# Altium PCB SP100 ATC CCU (PCB).PcbDoc (part 2 of 3)
Units mm, origin at the board's own origin, x right, y up, seen from the top; angles counter-clockwise.
Board outline 175.51 x 59.9 mm, 2 copper layers (Top Layer, Bottom Layer); 222 components, 138 nets, 681 pads, 393 vias.
Unrouted connection lines stored in the file: 24.
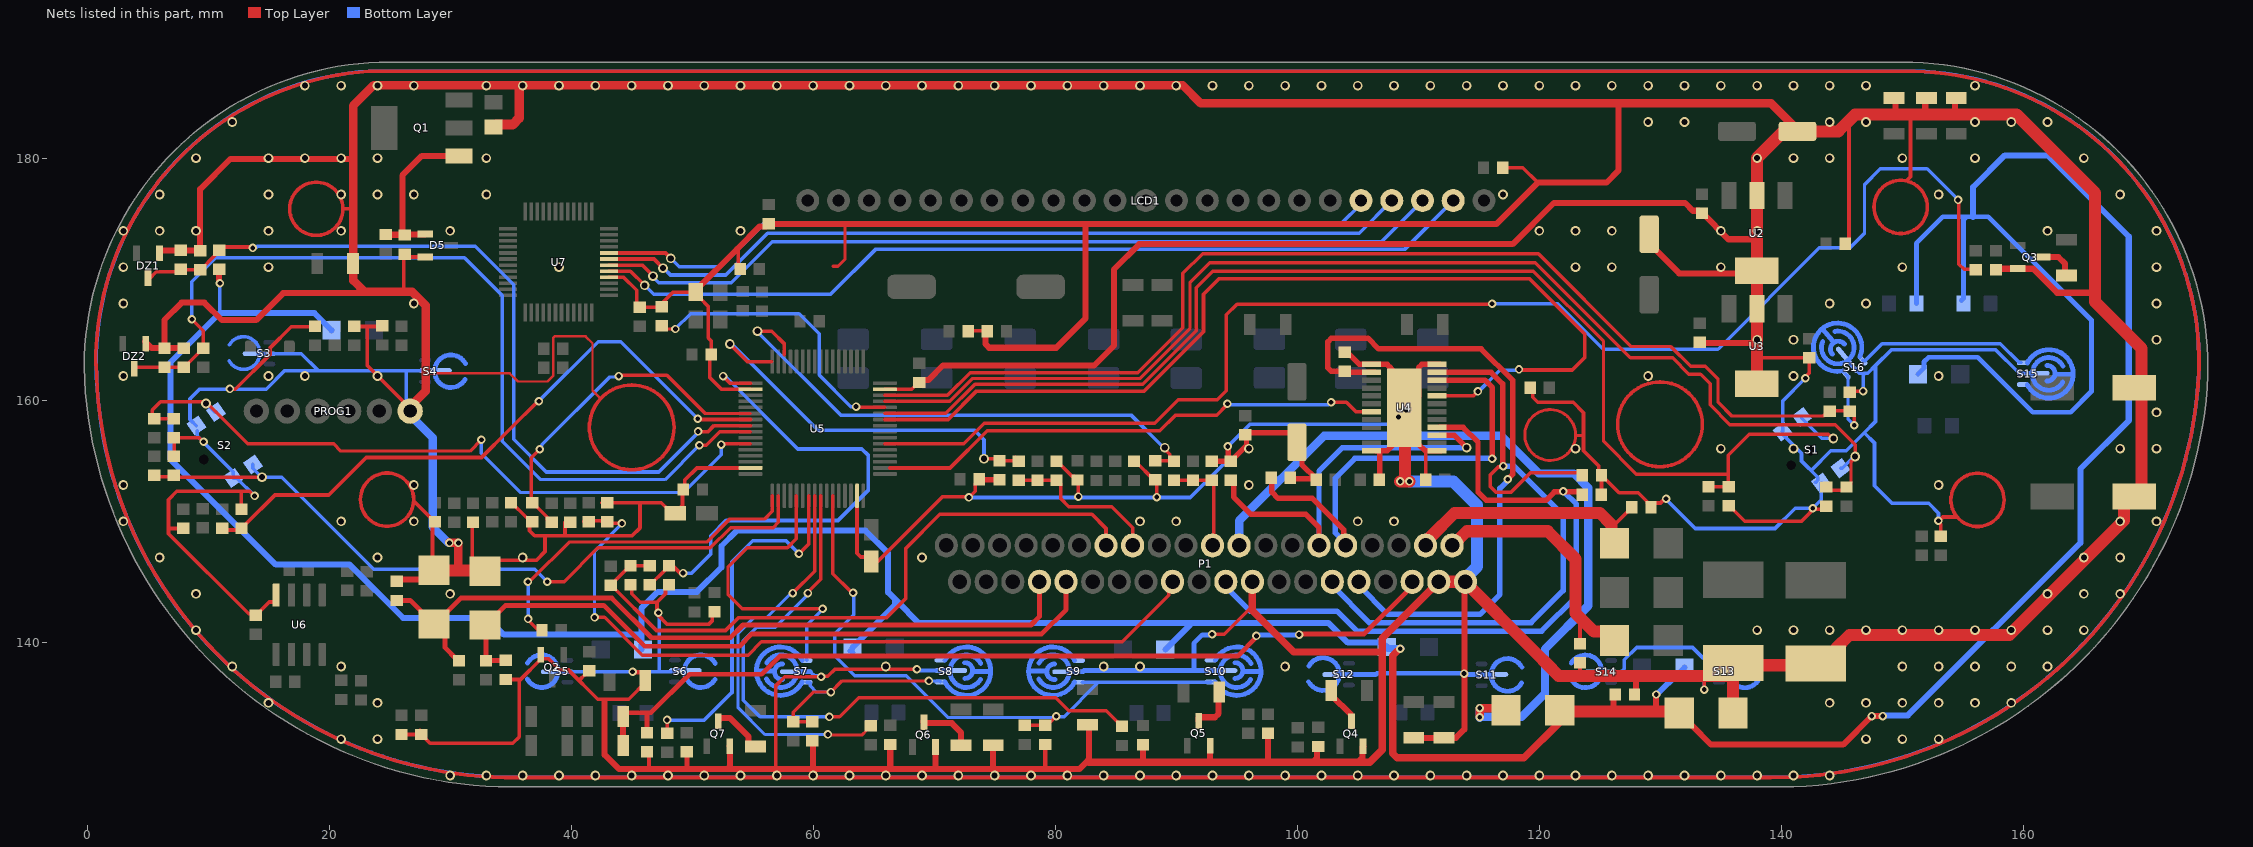
[diagram p2: the nets of this part, all layers, seen from the top]

## Via types
v1: diameter 0.8, hole 0.5, Top Layer to Bottom Layer, tented both sides, 255 vias
v2: diameter 0.7, hole 0.4, Top Layer to Bottom Layer, tented both sides, 138 vias

## Nets (pads, with @x,y where several pads share a name; then routed paths per layer and width w, separated by ;. In a path a pad name is that pad's centre, name@x,y a point inside that pad or via, vN(x,y) a via of type N, cw(c..) or ccw(c..) an arc to the next point about the centre after c; other vN are vias at no path point) (continued)
"AIR MIX FEEDBAKE": C57.1 P1.32 R51.1 | length 63.6
  Top Layer w0.28: R51.1@41.021,149.962 41.097,150.038 42.469,150.038 C57.1@42.748,149.758 ; v2(41.935,142.062) 42.763,142.062 45.887,138.938 54.635,138.938 55.728,140.03 85.547,140.03 87.859,142.342 89.395,143.878 89.395,144.695 P1.32@89.7,145 ; C57.1@43.2,149.925 43.3,149.825 v2(44.2,149.825)
  Bottom Layer w0.28: v2(41.935,142.062) 41.935,147.535 v2@44.2,149.8
"AIR MIX FEEDBAKE(Ch.06)": C67.2 R64.2 | length 28.5
  Top Layer w0.28: v2(37.406,155.951) 36.703,155.249 36.703,151.618 C67.2@36.779,151.542 36.819,151.542 38.035,150.326 38.035,150.128 R64.2@38.379,149.784 ; v2@43.915,162.052 47.923,162.052 51.067,158.908 54.826,158.908
  Bottom Layer w0.28: v2(37.406,155.951) 37.406,156.065 37.581,156.24 37.581,156.306 43.196,161.921 43.862,161.921 v2(43.942,162.001)
"AIR MIX MA +": C39.2 P1.25 U4.14 | length 54.7
  Top Layer w0.45: C39.2@103.937,162.31 U4.14@106.393,162.31 ; C39.2@103.937,162.402 102.789,162.402 102.525,162.666 102.525,164.831 102.819,165.125 105.842,165.125 106.717,164.25 115.201,164.25 117.795,161.656 117.795,153.87 v2(117.4,153.475)
  Bottom Layer w0.45: P1.25@105.1,145 105.1,144.684 107.467,142.316 115.087,142.316 116.738,143.967 116.738,152.723 117.4,153.384 v2(117.4,153.475)
"AIR MIX MA -": C40.2 P1.26 U4.11 | length 58
  Top Layer w0.3: v2(117.018,154.559) 116.941,154.482 116.607,154.482 115.95,153.825 115.95,152.875 116.414,152.411 117.689,152.411 119.278,154 123.165,154 123.236,153.928 123.276,153.928 C40.2@123.596,153.608
  Top Layer w0.45: U4.11@111.793,162.31 116.023,162.31 116.975,161.358 116.975,154.602 v2(117.018,154.559)
  Bottom Layer w0.45: P1.26@102.9,145 102.9,144.674 105.943,141.63 119.329,141.63 121.971,144.272 121.971,150.504 117.916,154.559 v2(117.018,154.559)
"Airmix_Down_SW (Ext.01)": C23.2 R12.2 S2.1 | length 59.9
  Top Layer w0.28: C23.2@7.112,158.471 R12.2@5.563,158.471 5.4,158.634 5.4,159.197 6.071,159.868 9.689,159.868 v1@9.772,159.785 ; v1@9.906,159.792 13.285,156.413 20.371,156.413 20.98,155.804 31.648,155.804 v2(32.588,156.743) ; v2@52.299,156.235 v2(52.4,156.337) 52.471,156.408 54.826,156.408
  Bottom Layer w0.28: v1(9.83,159.727) 10.51,159.047 S2.1@10.665,159.047 ; v2(32.588,156.743) 32.588,155.637 35.85,152.375 49.276,152.375 52.4,155.499 v2(52.4,156.337)
"Airmix_Up_SW (Ext.13)": C22.2 R11.2 S2.3 | length 60.9
  Top Layer w0.28: R11.2@5.613,153.67 7.041,153.67 C22.2@7.163,153.792 7.31,153.645 14.275,153.645 v1@14.453,153.822 ; v2(38.024,145.009) 39.421,145.009 42.217,147.805 51.514,147.805 53.188,149.479 56.69,149.479 57.126,149.915 57.126,152.108
  Bottom Layer w0.28: S2.3@13.705,154.705 13.705,154.392 v1(14.453,153.645) 16.104,153.645 23.698,146.05 36.982,146.05 v2(38.024,145.009)
"AMB SENSOR": C62.2 P1.13 R49.2 R60.2 | length 13.1
  Top Layer w0.3: R60.2@76.99,153.381 R49.2@78.539,153.381 C62.2@80.114,153.381 ; C62.2@80.22,153.314 80.474,153.061 80.474,151.86 81.128,151.206 84.669,151.206 86.4,149.475 P1.13@86.4,148
"AMB SENSOR(Ch.02)": C63.2 R60.1 | length 32.8
  Top Layer w0.3: v1(53.111,164.643) 54.585,163.17 56.566,163.17 ; v1(74.117,155.169) 75.243,155.169 C63.2@75.294,155.219 ; C63.2@75.398,155 R60.1@76.86,155 ; R60.1@76.695,155.281 76.807,155.169 R60.1@76.86,155.169
  Bottom Layer w0.3: v1(53.111,164.643) 53.247,164.643 53.459,164.431 53.501,164.431 60.407,157.525 73.328,157.525 74.117,156.736 v1(74.117,155.169)
AUTO_LED: R54.1 | length 114.9
  Top Layer w0.28: 65.926,156.408 72.435,156.408 74.143,158.115 88.24,158.115 90.17,160.045 93.396,160.045 94.132,160.782 94.132,167.056 95.021,167.945 v2@115.916,167.945 ; v2(154.61,176.555) 154.675,176.49 154.675,171.25 155.1,170.825 156.017,170.825 R54.1@156.058,170.784
  Bottom Layer w0.28: v2(116.103,167.97) 121.539,167.97 125.298,164.211 134.761,164.211 ; 134.825,164.275 143.15,172.6 145.675,172.6 146.875,173.8 146.875,177.825 148.175,179.125 152.04,179.125 v2(154.61,176.555)
AUTO_SW(Ext.09): C15.2 R5.2 S15.2 S16.2 | length 114.2
  Top Layer w0.28: 65.926,160.408 71.101,160.408 72.976,162.283 86.826,162.283 90.551,166.007 90.551,170.485 92.179,172.113 119.937,172.113 127.61,164.44 130.886,164.44 132.512,162.814 133.706,162.814 134.772,161.747 134.772,159.842 135.915,158.699 143.459,158.699 143.51,158.75 143.623,158.75 143.953,159.08 R5.2@143.993,159.08 144.043,159.131 145.633,159.131 146.014,158.75 146.014,157.948 v2(146.025,157.937)
  Bottom Layer w0.28: S16.2@145.339,162.139 145.509,161.969 S16.2@145.509,161.801 ; S16.2@145.508,161.8 145.508,158.454 v2(146.025,157.937) ; S16.2@146.721,163.298 146.773,163.246 146.888,163.246 148.318,164.676 158.108,164.676 159.597,163.186 159.664,163.119 S15.2@159.817,163.119
B: D5.1 Q1.1 R26.2 R44.1 | length 14
  Top Layer w0.5: R26.2@24.578,173.676 26.225,173.676 R44.1@26.241,173.66 26.29,173.709 27.863,173.709 D5.1@27.864,173.711 ; R44.1@26.06,173.761 R44.1@26.112,173.709 ; R44.1@26.137,173.736 26.06,173.812 26.06,178.587 27.662,180.189 Q1.1@31.098,180.189 ; D5.1@27.92,173.709 D5.1@27.949,173.739
B_F: C49.1 P1.37 R20.1 TVS4.2 | length 62.7
  Top Layer w0.4: C49.1@25.603,143.459 26.713,143.459 27.607,142.566 27.607,142.51 28.029,142.088 TVS4.2@28.169,142.088 ; TVS4.2@28.389,141.893 TVS4.2@28.524,141.757 ; TVS4.2@28.677,141.503 28.74,141.503 30.889,143.653 43.367,143.653 46.64,140.38 53.157,140.38 54.204,141.427 78.003,141.427 78.7,142.124 P1.37@78.7,145 ; TVS4.2@29.185,141.503 29.591,141.097 29.591,139.548 R20.1@30.531,138.608
B_V: C50.2 P1.36 R22.1 TVS5.2 | length 58.2
  Top Layer w0.4: TVS5.2@32.893,141.427 32.956,141.427 TVS5.2@32.969,141.44 ; C50.2@34.595,138.506 34.585,138.496 32.969,138.496 TVS5.2@32.969,141.44 ; P1.36@80.9,145 80.9,142.698 78.892,140.691 54.94,140.691 53.924,139.675 46.076,139.675 42.697,143.053 34.582,143.053 TVS5.2@32.969,141.44
BAT: C12.2 D3.1 P1.2 | length 20.4
  Top Layer w0.3: 125.578,149.784 125.908,149.784 126.284,149.784 127.295,150.795 127.335,150.795 127.655,151.115 C12.2@127.655,151.155
  Top Layer w1: P1.2@110.6,148 110.6,148.294 111.05,148.744 113.005,150.698 124.993,150.698 125.908,149.784 125.984,149.708 D3.1@125.984,149.047
"BLOWER OUT": C48.2 P1.23 R19.2 R24.2 | length 73.3
  Top Layer w0.4: R24.2@44.298,133.512 R24.2@44.298,133.868 44.298,133.892 44.583,134.177 46.269,134.177 46.598,134.177 49.784,137.363 55.753,137.363 57.252,138.862 95.072,138.862 v2@96.622,140.411 ; 46.253,134.163 46.269,134.148 C48.2@46.269,132.531 ; v2(100.152,140.64) 100.203,140.691 105.531,140.691 P1.23@109.445,144.605
  Top Layer w0.5: R19.2@44.298,131.48 44.298,133.132 R24.2@44.298,133.512
  Bottom Layer w0.4: v2(96.625,140.525) 96.682,140.582 96.895,140.582 96.927,140.614 v2@99.873,140.614
Blower_Control(Ch.07): C53.2 R30.2 | length 52.9
  Top Layer w0.3: R30.2@11.165,149.423 11.181,149.423 11.328,149.276 C53.2@12.765,149.276 ; C53.2@12.765,149.423 12.805,149.423 13.125,149.743 13.125,149.777 15.523,152.175 19.968,152.175 23.068,155.275 32.602,155.275 34.798,157.471 v2@37.398,160.071 ; v2@50.521,158.598 50.71,158.408 54.826,158.408
  Bottom Layer w0.3: v2@37.262,160.096 37.49,160.096 42.24,164.846 44.094,164.846 v2(50.47,158.471)
  other v2: 37.338,159.918
Blower_Control(PWM): R28.2 | length 28.3
  Top Layer w0.28: v2(36.449,141.935) 36.449,141.834 R28.2@37.44,140.843 ; v2@36.551,145.022 36.726,145.197 36.764,145.197 39.853,148.285 51.206,148.285 53.111,150.19 55.982,150.19 56.626,150.834 56.626,152.108
  Bottom Layer w0.28: v2(36.424,145.009) 36.449,144.983 v2(36.449,141.935)
"Blower_Down_SW (Ext.08)": C25.2 R14.2 S1.3 | length 101.5
  Top Layer w0.28: 65.926,159.908 65.936,159.918 66.844,159.918 71.29,159.918 73.175,161.803 87.025,161.803 91.135,165.913 91.135,169.723 92.761,171.348 119.685,171.348 127.533,163.5 131.013,163.5 132.359,162.154 133.325,162.154 134.112,161.366 134.112,159.614 135.738,157.988 144.45,157.988 146.098,156.34 v1(146.098,155.349) ; C25.2@143.713,152.832 143.967,152.578 R14.2@145.364,152.578 ; R14.2@145.39,152.832 145.43,152.832 145.76,153.162 145.76,154.915 145.976,155.132 v1@145.976,155.344
  Bottom Layer w0.28: S1.3@144.888,154.384 145.037,154.384 145.976,155.323 146.071,155.323 v1(146.098,155.349)
"Blower_UP_SW (Ext.07)": C24.2 R13.2 S1.1 | length 105.6
  Top Layer w0.28: 65.926,158.908 65.936,158.918 70.969,158.918 73.374,161.323 87.224,161.323 91.643,165.742 91.643,169.291 93.015,170.663 119.507,170.663 125.311,164.859 125.311,156.604 128.016,153.899 135.611,153.899 ; R13.2@133.985,152.862 135.291,152.862 135.458,153.029 C24.2@135.458,153.137 ; C24.2@135.611,152.862 135.611,153.899 ; v1(144.297,156.845) 144.229,156.845 143.873,157.201 137.363,157.201 135.611,155.448 135.611,153.899
  Bottom Layer w0.28: S1.1@141.699,158.617 141.699,158.502 143.355,156.845 v1(144.297,156.845)
BOOT0: R16.1 | length 24.3
  Top Layer w0.28: R16.1@47.498,166.15 47.76,165.887 v2(48.616,165.887) ; v2(63.55,159.475) 63.617,159.408 65.926,159.408
  Bottom Layer w0.28: v2(48.616,165.887) 48.616,165.891 49.875,167.15 58.834,167.15 60.503,165.481 60.503,162.087 63.115,159.475 v2(63.55,159.475)
C_1: Q3.3 R66.2 | length 3.3
  Top Layer w0.5: Q3.3@161.595,171.831 162.902,171.831 163.45,171.283 163.45,170.41 R66.2@163.195,170.155
C_2: Q4.3 R67.2 | length 3.2
  Top Layer w0.5: R67.2@102.812,136.017 102.812,135.637 104.451,133.998 104.451,133.59 Q4.3@104.51,133.531
C_3: Q5.3 R68.2 | length 3.9
  Top Layer w0.5: Q5.3@91.857,133.502 91.857,133.778 91.886,133.807 93.207,133.807 93.5,134.1 93.5,135.835 R68.2@93.555,135.89
C_4: Q6.3 R69.2 | length 4.6
  Top Layer w0.5: Q6.3@69.139,133.502 69.139,133.373 69.188,133.325 71.45,133.325 72.232,132.543 R69.2@72.232,131.496
C_5: Q7.3 R70.2 | length 4.2
  Top Layer w0.5: Q7.3@52.156,133.477 52.156,133.727 52.186,133.756 53.119,133.756 54.645,132.23 54.645,131.588 R70.2@54.762,131.47
COM0: LCD1.2 U7.5 | length 73.8
  Top Layer w0.3: U7.5@43.128,170.67 44.9,170.67 v1(46.076,169.494)
  Bottom Layer w0.3: v1(46.076,169.494) 46.82,168.75 61.435,168.75 65.151,172.466 108.866,172.466 LCD1.2@112.9,176.5
COM1: LCD1.4 U7.7 | length 67.8
  Top Layer w0.3: U7.7@43.128,171.67 46.846,171.67 v1(47.6,170.917)
  Bottom Layer w0.3: v1(47.6,170.917) 47.65,170.917 48.217,170.35 52.773,170.35 56.236,173.812 105.132,173.812 LCD1.4@107.82,176.5
COM2: LCD1.3 U7.6 | length 70.9
  Top Layer w0.3: U7.6@43.128,171.17 45.873,171.17 46.761,170.282 v1(46.761,170.256)
  Bottom Layer w0.3: v1@46.507,170.307 v1@46.66,170.155 ; v1(46.761,170.256) 46.761,170.18 47.241,169.7 53.225,169.7 56.626,173.101 106.961,173.101 LCD1.3@110.36,176.5
COM3: LCD1.5 U7.8 | length 65
  Top Layer w0.3: U7.8@43.128,172.17 47.794,172.17 v1(48.235,171.729)
  Bottom Layer w0.3: v1(48.235,171.729) 48.939,171.025 52.356,171.025 55.897,174.566 103.598,174.566 105.28,176.248 LCD1.5@105.28,176.5
COMP: C43.2 P1.30 U4.4 | length 57.9
  Top Layer w0.45: U4.4@111.793,157.76 112.744,157.76 113.715,157.76 114.935,156.54 114.935,152.415 115.625,151.725 120.55,151.725 121.25,152.425 121.975,152.425 C43.2@123.325,152.425
  Bottom Layer w0.45: P1.30@94.1,145 94.1,144.584 96.114,142.57 103.276,142.57 104.927,140.919 120.193,140.919 123.063,143.789 123.063,151.412 v2@122.05,152.425
  other v2: 121.975,152.475
"COMP LED": R56.1 | length 53.6
  Top Layer w0.28: v2(61.341,133.833) 62.179,133.833 63.76,135.413 80.055,135.413 81.128,134.341 84.226,134.341 85.18,133.387 85.228,133.387 85.344,133.271 R56.1@85.344,133.223
  Top Layer w0.3: v2(59.563,144.069) 59.563,144.138 60.626,145.201 60.626,152.108
  Bottom Layer w0.28: v2@59.563,143.942 56.87,141.249 55.346,141.249 54.237,140.14 54.237,135.204 55.608,133.833 v2(61.341,133.833)
COMP_SW(Ext.10): C17.2 R7.2 S9.2 S10.2 | length 52.9
  Top Layer w0.28: v2@63.145,144.246 v2@63.246,144.145 ; R7.2@77.587,133.14 C17.2@79.187,133.14 79.343,133.14 v2(80.086,133.883)
  Top Layer w0.3: 61.626,152.108 61.626,145.674 v2@63.1,144.2
  Bottom Layer w0.28: v2@63.348,144.094 63.348,142.265 61.796,140.713 61.796,138.89 63.442,137.243 67.684,137.243 71.145,133.782 79.871,133.782 v2@80.029,133.94 ; v2(80.086,133.883) 80.112,133.858 80.747,133.858 83.49,136.601 ; S9.2@82.245,136.677 82.281,136.713 92.837,136.713 S10.2@92.85,136.725
  other v2: 63.297,144.094
CSB_SPI1: U4.19 | length 42.4
  Top Layer w0.3: 66.345,154.408 71.308,154.408 74.38,157.48 88.646,157.48 89.934,158.768 93.343,158.768 v2@94.175,159.6 ; v2(102.794,159.842) 104.064,159.842 104.851,159.055 U4.19@105.907,159.055
  Bottom Layer w0.3: v2@94.082,159.588 v2@94.132,159.639 ; v2@94.082,159.639 v2@94.132,159.639 ; v2(94.234,159.715) 94.209,159.715 v2@94.132,159.639 ; v2(102.794,159.842) 102.591,159.639 v2@94.132,159.639
"DEF LED": R52.1 | length 33.2
  Top Layer w0.25: v2(58.318,144.069) v2@58.375,144.125 ; 60.126,152.108 60.151,152.083 ; v2(61.214,132.385) 61.239,132.359 64.059,132.359 64.41,132.71 64.41,132.756 64.668,133.014 R52.1@64.668,133.198
  Top Layer w0.3: v2@58.375,144.125 60.126,145.876 60.126,152.108
  Bottom Layer w0.25: v2(58.318,144.069) 58.191,144.069 56.185,142.062 55.143,142.062 53.772,140.691 53.772,134.623 56.01,132.385 v2(61.214,132.385)
DEF_SW(Ext.06): C16.2 R6.2 S7.2 S8.2 | length 43.3
  Top Layer w0.28: R6.2@58.344,133.431 R6.2@58.415,133.502 ; R6.2@58.413,133.688 58.34,133.761 58.34,134.221 60.01,135.89 v2@61.443,135.89 ; R6.2@58.547,133.426 59.913,133.426 C16.2@59.919,133.431 ; 58.626,152.108 58.616,152.098 58.616,148.539 57.879,147.803 54.559,147.803 52.959,146.202 52.959,143.967 54.153,142.773 v2(60.782,142.773) ; v2(61.468,135.89) 62.382,136.804 v2(69.571,136.804)
  Bottom Layer w0.28: S7.2@59.461,136.7 59.714,136.7 59.769,136.645 59.769,136.392 60.271,135.89 v2(61.468,135.89) ; S7.2@59.461,138.503 59.461,141.401 60.223,142.164 v2@60.808,142.748 ; v2(69.571,136.804) 70.444,136.804 S8.2@70.523,136.725
EN_SPI1: U4.8 | length 81.4
  Top Layer w0.3: 65.926,158.408 66.82,158.408 71.152,158.408 73.501,160.757 87.351,160.757 92.253,165.659 92.253,168.758 93.523,170.028 119.202,170.028 123.749,165.481 123.749,163.525 122.724,162.5 v2@118.375,162.5 ; U4.8@111.793,160.36 114.538,160.36 v2@114.935,160.757
  Bottom Layer w0.3: v2(114.935,160.731) 114.986,160.731 116.738,162.484 v2@118.186,162.484
  other v2: 118.325,162.55
"EVAP SENSOR": C64.2 P1.14 R50.2 R61.2 | length 54.5
  Top Layer w0.3: R50.2@43.282,144.71 43.322,144.71 47.054,140.978 52.764,140.978 53.823,142.037 66.065,142.037 67.666,143.637 67.666,147.777 70.46,150.571 83.033,150.571 84.2,149.404 P1.14@84.2,148 ; R50.2@43.459,144.831 43.642,145.013 43.642,145.104 44.867,146.329 C64.2@44.907,146.329 R61.2@46.507,146.329
"EVAP SENSOR(Ch.03)": C65.2 R61.1 | length 43.6
  Top Layer w0.3: R61.1@46.507,144.749 46.547,144.749 47.722,145.924 47.722,146.009 47.788,146.075 47.828,146.075 C65.2@48.082,146.329 ; C65.2@47.722,146.05 C65.2@48.362,146.05 ; C65.2@48.082,146.634 48.997,145.72 v2(49.251,145.72) ; v2@52.527,162.001 53.121,161.408 54.826,161.408
  Bottom Layer w0.3: v2(49.251,145.72) 49.962,145.72 51.537,147.295 51.537,148.793 51.638,148.895 52.807,150.063 62.052,150.063 64.567,152.578 64.567,155.433 64.025,155.975 58.731,155.975 52.894,161.812 52.85,161.812 52.661,162.001 v2(52.553,162.001)
GND: 1.2 C1.2 C2.2 C3.1 C4.1 C5.1 C6.1 C7.1 C8.1 C9.1 C10.2 C11.1 C12.1 C13.2 C14.1 C15.1 C16.1 C17.1 C18.1 C19.1 C20.1 C21.1 C22.1 C23.1 C24.1 C25.1 C26.1 C27.1 C28.2 C29.1 C30.1 C31.2 C32.2 C33.2 C34.2 C35.2 C36.2 C37.1 C38.1 C39.1 C40.1 C41.1 C42.1 C43.1 C44.1 C46.1 C48.1 C49.2 C50.1 C51.1 C53.1 C55.1 C56.2 C57.2 C60.1 C61.1 C62.1 C63.1 C64.1 C65.1 C66.1 C67.1 C68.1 C69.1 C70.1 C71.1 C72.1 C73.1 C74.1 C75.1 C76.1 D5.2 DZ1.1 DZ2.1 L2.1 P1.21 P1.22 P1.29 PROG1.1 Q2.2 Q3.2 Q4.2 Q5.2 Q6.2 Q7.2 R3.1 R16.2 R17.2 R31.1 R33.2 R34.2 R35.2 R36.2 R37.2 R38.2 R39.2 R40.2 R41.2 R42.2 R44.2 R45.2 R65.2 R71.2 R72.2 R73.2 S1.2 S1.4 S2.2 S2.4 S3.1 S4.1 S5.1 S6.1 S7.1 S8.1 S9.1 S10.1 S11.1 S12.1 S13.1 S14.1 S15.1 S16.1 TVS1.1 TVS2.1 TVS3.1 TVS4.1 TVS5.1 U2.2 U2.4 U3.2 U3.4 U4.1 U4.12 U4.13 U4.24 U4.25 U5.18 U5.31 U5.47 U5.63 U6.4 U7.4 | length 2267.4
  Top Layer w0.2: 28.339,162.225 34.925,162.225 35.6,161.55 38.05,161.55 38.509,162.009 38.509,165.158 38.626,165.275 41.2,165.275 41.764,164.711 41.764,160.811 42.375,160.2
  Top Layer w0.254: 61.651,171.094 cw(c59.436,171.094) 61.651,171.075 62.05,171.075 62.625,171.65 62.625,174.425 62.675,174.475 ; 123.025,157.1 123.6,157.1 123.625,157.075 ; 123.65,158.325 123.675,158.35 ; 123.004,157.124 ccw(c120.904,157.124) 123.004,157.124
  Top Layer w0.3: 0.725,162.9 cw(c24.809,163.138) 23.285,187.175 151.002,187.175 151.005,187.175 cw(c150.508,163.173) 174.485,161.989 ; 0.775,162.95 ccw(c35.225,163.275) 35.55,128.825 ; C22.1@7.214,155.448 7.214,156.84 C23.1@7.163,156.891 9.251,156.891 9.576,156.566 v2(9.627,156.566) ; R45.2@7.899,149.403 6.731,149.403 ; v2@11.811,160.909 12.243,160.909 15.113,163.779 15.113,164.313 16.866,166.065 18.72,166.065 C7.1@18.732,166.053 ; C53.1@12.765,151.003 12.751,151.017 12.751,152.476 ; C46.1@13.894,142.35 13.352,142.35 6.731,148.971 6.731,149.403 ; v2@13.919,152.172 13.743,152.172 13.438,152.476 12.751,152.476 ; C46.1@13.945,142.342 14.081,142.342 14.305,142.565 14.305,142.591 15.047,143.333 15.471,143.333 15.621,143.483 U6.4@15.621,143.908 ; 21.148,175.819 cw(c18.948,175.819) 21.148,175.825 ; 21.15,175.825 21.925,175.825 21.975,175.775 ; 21.824,175.9 21.869,175.946 ; R3.1@22.089,166.121 22.119,166.091 23.165,166.091 ; C21.1@24.253,166.091 23.165,166.091 ; R31.1@25.984,132.385 27.178,132.385 C51.1@27.508,132.715 ; 26.175,169.15 26.175,172.015 R44.2@26.241,172.08 26.241,171.93 26.332,171.839 D5.2@27.949,171.839 ; PROG1.1@26.695,159.106 26.695,159.334 23.165,162.865 23.165,166.091 ; 26.99,151.775 cw(c24.79,151.79) 26.99,151.79 cw(c24.79,151.79) 26.988,151.682 28.5,150.17 C66.1@28.5,149.775 ; TVS4.1@27.557,145.359 27.686,145.489 TVS4.1@27.686,146.406 ; C51.1@27.751,132.283 27.97,132.065 27.97,132.025 28.346,131.648 35.179,131.648 35.712,132.182 35.712,136.926 ; C66.1@28.55,149.763 28.55,146.075 TVS4.1@28.677,145.948 ; 1.2@31.826,149.603 31.826,149.427 31.826,146.634 TVS5.1@32.233,146.228 ; TVS5.1@32.893,145.872 33.807,146.787 37.135,146.787 37.846,147.498 37.846,148.793 ; C50.1@34.595,136.926 35.712,136.926 ; C56.2@35.027,151.542 35.067,151.542 36.327,150.282 36.419,150.282 36.601,150.099 C67.1@36.601,149.987 ; 35.425,128.825 139.125,128.825 ; C67.1@36.558,149.642 36.558,149.217 36.805,148.971 36.805,148.969 36.98,148.793 37.846,148.793 ; Q2.2@37.49,138.913 37.49,138.595 35.821,136.926 35.712,136.926 ; Q2.2@37.643,138.633 38.135,138.633 39.05,137.719 39.786,137.719 42.199,135.306 42.723,135.306 ; R65.2@39.497,149.923 39.497,148.895 39.395,148.793 ; 40.742,136.931 41.128,137.317 41.184,137.317 C55.1@41.504,137.637 ; C57.2@42.545,151.542 C57.2@42.977,151.542 47.453,151.542 48.108,150.887 C31.2@48.108,150.647 ; 42.672,135.23 42.672,135.255 42.723,135.306 ; U7.4@43.128,170.17 44.333,170.17 45.415,169.088 C76.1@45.415,167.691 ; C64.1@44.907,144.749 45.022,144.635 45.022,144.005 45.72,143.307 47.092,143.307 ; C76.1@45.669,167.691 47.168,167.691 48.387,168.91 L2.1@50.013,168.91 ; 45.695,151.536 45.695,149.454 45.034,148.793 39.395,148.793 ; R41.2@46.215,136.754 44.767,135.306 42.723,135.306 ; C48.1@46.269,130.951 46.431,130.789 46.431,129.667 ; R16.2@47.65,167.611 R16.2@47.676,167.637 ; C65.1@48.082,144.749 47.8,144.467 47.8,144.015 47.092,143.307 ; C31.2@48.745,150.851 49.2,151.306 C34.2@49.2,152.857 ; C34.2@49.378,152.756 49.4,152.778 49.4,153.413 50.394,154.407 52.861,154.407 52.863,154.408 U5.31@54.826,154.408 ; L2.1@50.622,168.46 51.333,167.749 51.333,165.151 51.567,164.917 C33.2@51.567,163.779 51.46,163.672 51.46,161.874 52.427,160.908 U5.18@54.826,160.908 ; C19.1@51.841,142.54 51.676,142.374 51.676,141.795 51.359,141.478 47.955,141.478 47.092,142.342 47.092,143.307 ; 53.746,172.466 53.802,172.41 53.802,171.16 C11.1@54.122,170.84 ; 56.896,129.616 56.896,136.398 57.658,137.16 v2(60.655,137.16) ; 59.614,174.498 59.665,174.549 ; v2@60.808,137.185 61.214,137.185 61.804,137.775 v2(68.575,137.775) ; U5.47@63.626,152.108 63.626,147.349 63.926,147.049 64.432,147.049 C32.2@64.805,146.676 ; C32.2@65.364,146.695 70.688,152.019 72.923,152.019 73.396,152.492 73.396,153.107 73.578,153.289 C36.2@73.812,153.289 ; U5.63@65.926,160.908 68.158,160.908 68.794,161.544 C35.2@68.809,161.544 ; C9.1@72.8,165.706 72.829,165.735 C8.1@74.244,165.735 ; C62.1@80.114,154.961 80.154,154.961 81.383,153.732 81.548,153.732 81.915,153.365 81.915,152.095 v2@82.017,151.994 ; C60.1@86.508,154.953 86.828,154.633 86.947,154.633 87.83,153.75 87.945,153.75 C74.1@88.265,153.43 88.392,153.303 88.392,152.095 v2@88.468,152.019 ; v2(92.964,140.665) 93.98,140.665 96.037,142.723 ; C38.1@106.787,153.441 C38.1@106.787,153.481 ; C37.1@110.617,153.441 110.617,155.651 110.744,155.778 ; R73.2@116.972,179.222 118.643,179.222 119.812,178.054 ; C27.1@119.296,160.833 119.453,160.676 119.453,160.252 119.88,159.825 122.8,159.825 123.65,158.975 123.65,158.325 123.65,155.826 124.904,154.572 124.904,154.038 C40.1@125.146,153.797 ; C14.1@123.368,138.303 123.368,137.338 123.476,137.23 ; C43.1@125.146,152.296 C40.1@125.146,153.797 ; C12.1@129.235,151.155 129.235,151.195 129.555,151.515 130.02,151.515 130.346,151.841 v2@130.429,151.841 ; C12.1@129.261,151.257 129.174,151.257 128.915,151.515 128.915,151.602 128.168,152.349 126.594,152.349 C40.1@125.146,153.797 ; v2(133.629,136.093) TVS2.1@133.629,137.23 ; C24.1@135.661,151.282 135.701,151.282 136.984,150 141.669,150 142.406,150.737 142.406,150.781 142.628,151.003 C25.1@143.535,151.003 ; 137.983,163.306 138.176,163.5 C6.1@142.3,163.5 142.3,162.246 v2@141.986,161.932 ; 139.074,128.831 ccw(c139.375,164) 174.5,162.225 ; C4.1@145.593,172.949 145.593,183.106 ; C15.1@145.644,160.66 145.74,160.757 v2(146.761,160.757) ; 150.343,178.13 150.673,178.46 150.673,183.617 ; v2@152.978,149.936 153.187,149.726 C20.1@153.187,148.768 ; v2(152.984,150.038) 153.048,150.038 153.36,150.35 154.475,150.35 ; 154.711,140.665 154.714,140.663 154.714,140.614 ; 6.731,149.403 6.731,151.79 7.417,152.476 12.751,152.476 ; 37.846,148.793 39.395,148.793 ; 48.509,157.759 ccw(c45.009,157.759) 48.509,157.759 ; 133.472,158.013 ccw(c129.972,158.013) 133.472,158.013 ; 152.06,175.971 ccw(c149.86,175.971) 152.06,175.971 ; 158.41,151.765 ccw(c156.21,151.765) 158.41,151.765
  Top Layer w0.4: v2(45.085,137.566) 45.131,137.52 45.944,137.52 R41.2@46.05,137.414 ; R41.2@46.002,137.366 46.133,137.235 R41.2@46.133,136.855 ; C72.1@49.555,130.951 49.581,130.926 49.581,129.642 ; 56.896,129.616 56.921,129.591 ; 79.172,129.642 79.172,131.545 C17.1@79.187,131.56
  Top Layer w0.45: C36.2@73.685,153.391 73.738,153.443 75.374,153.443 C63.1@75.398,153.42 ; C73.1@92.94,154.971 94.366,154.971 C42.1@94.44,155.044 ; v2@94.285,156.21 94.307,156.188 94.307,155.177 C42.1@94.44,155.044 ; C42.1@94.513,154.971 C42.1@94.44,155.044 ; C42.1@94.798,155.256 95.806,156.263 95.806,157.046 C26.1@95.707,157.145 ; C26.1@96.114,157.322 C28.2@99.968,157.322 ; C41.1@99.421,153.594 99.497,153.518 101.473,153.518 C44.1@101.625,153.365 ; C28.2@100.254,155.54 100.393,155.401 100.393,154.663 101.575,153.481 C44.1@101.575,153.441 ; C39.1@104.343,163.754 105.137,162.96 U4.13@106.139,162.96 U4.13@106.393,162.96 ; U4.24@106.469,155.81 107.42,155.81 U4.25@107.969,156.359 ; U4.13@106.469,162.96 107.42,162.96 107.669,162.711 ; C38.1@106.807,153.67 U4.24@106.807,155.651 ; C38.1@106.858,153.492 C38.1@106.909,153.441 ; 107.669,162.71 108.001,162.378 U4.25@108.001,162.306 ; U4.25@107.969,156.36 108.099,156.489 U4.25@108.128,156.489 ; U4.25@108.839,157.559 U4.25@108.839,159.385 ; U4.25@108.84,157.559 U4.25@110.039,156.36 ; U4.25@109.093,159.385 110.039,160.331 110.039,162.693 110.306,162.96 U4.12@111.793,162.96 ; U4.25@110.039,156.359 110.588,155.81 U4.1@111.869,155.81
  Top Layer w0.5: DZ2.1@4.801,164.846 5.342,164.304 C75.1@6.401,164.304 ; DZ1.1@6.121,172.39 6.15,172.361 7.747,172.361 C30.1@9.347,172.361 9.347,177.444 11.836,179.934 21.869,179.934 ; R71.2@8.001,164.304 C75.1@6.401,164.304 ; 22.885,168.85 16.196,168.85 13.97,166.624 11.151,166.624 9.703,168.072 7.823,168.072 6.401,166.649 C75.1@6.401,164.304 ; 22.885,169.012 22.936,169.012 ; C49.2@25.603,145.039 25.75,145.186 27.915,145.186 TVS4.1@28.677,145.948 ; 42.774,135.128 42.774,130.704 43.938,129.54 ; 46.431,129.54 43.938,129.54 ; 49.581,129.54 43.938,129.54 ; L2.1@50.297,168.935 50.297,169.085 53.712,172.5 55.586,174.374 56.117,174.374 R72.2@56.292,174.549 ; 53.061,129.667 53.111,129.718 53.111,131.415 Q7.2@53.106,131.42 ; R72.2@56.337,174.594 R72.2@56.292,174.549 ; C16.1@59.919,131.851 60,131.77 60,129.54 ; 66.37,129.54 60,129.54 ; 66.37,129.743 C71.1@66.37,131.56 ; C35.2@68.798,161.468 C35.2@68.758,161.468 68.978,161.688 69.538,161.688 70.723,162.873 83.218,162.873 84.861,164.516 84.861,170.815 86.944,172.898 117.805,172.898 121.209,176.301 132.055,176.301 132.698,175.658 133.192,175.658 133.198,175.652 C3.1@133.198,175.438 ; 70.108,129.54 60,129.54 ; 70.108,129.692 Q6.2@70.108,131.346 ; C8.1@74.244,165.735 74.244,164.631 74.537,164.338 80.086,164.338 82.499,166.751 82.499,174.549 ; 74.854,129.718 R40.2@74.854,131.437 ; R39.2@82.677,133.184 82.779,133.082 82.779,130.327 ; 82.727,130.252 82.015,129.54 60,129.54 ; C70.1@87.249,131.547 C70.1@87.249,131.547 87.25,130.099 ; 90.449,186.106 90.526,186.03 90.602,185.953 ; Q5.2@92.807,131.445 92.807,130.307 92.888,130.226 ; 97.587,130.2 C18.1@97.587,132.481 ; 101.321,130.15 101.633,130.462 101.633,131.295 C69.1@101.727,131.389 ; 105.105,130.2 105.401,130.496 105.401,131.327 Q4.2@105.46,131.386 ; R38.2@109.626,132.105 R37.2@112.116,132.105 113.106,132.105 113.817,132.817 P1.21@113.817,144.383 ; 119.431,139.419 119.431,139.421 ; 126.543,184.531 126.543,178.968 125.552,177.978 119.888,177.978 116.459,174.549 82.499,174.549 ; C29.1@127.869,135.687 127.991,135.809 127.991,137.23 ; C2.2@129.286,172.754 131.555,170.485 U2.4@137.983,170.485 ; C5.1@133.078,164.744 v1@137.983,164.744 ; C3.1@133.452,175.438 133.492,175.438 135.625,173.304 137.871,173.304 ; C1.2@140.382,182.41 140.572,182.22 C1.2@141.337,182.22 ; R33.2@149.454,184.976 149.454,183.693 149.53,183.617 ; R34.2@151.892,184.976 151.892,183.921 152.019,183.794 ; 154.356,183.794 R35.2@154.356,184.976 ; C68.1@157.734,170.784 157.815,170.866 159.522,170.866 Q3.2@159.537,170.881 159.553,170.866 160.807,170.866 162.789,168.885 165.913,168.885 ; C13.2@169.252,152.044 C13.2@169.774,152.566 ; 43.938,129.54 60,129.54 ; R72.2@56.292,174.549 59.665,174.549 62.625,174.549 82.499,174.549
  Top Layer w0.6: 82.779,130.099 87.25,130.099 105.994,130.099 107.025,131.13 107.025,139.192 ; 96.291,142.621 99.72,139.192 107.025,139.192 ; 96.291,142.723 96.291,144.991 P1.29@96.3,145 ; P1.22@111.7,145 107.025,140.325 107.025,139.192
  Top Layer w0.7: R36.2@21.978,171.298 22.006,171.269 22.006,169.891 22.885,169.012 22.936,168.961 26.175,168.961 26.873,168.961 27.991,167.843 27.991,162.225 27.991,160.757 PROG1.1@27.04,159.806 ; R36.2@21.996,171.602 21.996,175.9 21.996,179.934 21.996,184.353 23.673,186.03 35.712,186.03 90.526,186.03 ; v2@29.921,148.26 29.972,148.209 v2(30.683,148.209) 30.683,146.152 30.886,145.948 ; 90.602,185.953 92.024,184.531 126.543,184.531 139.167,184.531 C1.2@140.894,182.804
  Top Layer w0.8: R42.2@33.579,182.58 33.779,182.78 35.181,182.78 35.712,183.312 35.712,185.903 v1@35.738,185.928
  Top Layer w1: TVS4.1@28.677,145.948 30.886,145.948 TVS5.1@32.233,145.948 ; v2(108.509,153.289) v2(109.271,153.289) ; 108.915,153.721 U4.25@108.915,157.429 ; P1.22@111.7,145 P1.21@113.707,145 ; P1.21@113.901,144.951 119.431,139.421 ; 119.431,139.419 121.094,137.756 ; 121.082,137.744 121.596,137.23 123.476,137.23 127.991,137.23 133.629,137.23 136.087,137.23 136.017,137.16 TVS3.1@136.017,134.163 ; TVS2.1@135.713,138.424 136.037,138.1 143.247,138.1 144.52,139.373 144.52,139.491 145.644,140.614 154.714,140.614 158.852,140.614 168.307,150.07 168.307,151.484 168.867,152.044 C13.2@169.252,152.044 ; U3.4@137.983,161.366 137.983,163.306 137.983,164.744 U3.2@137.983,167.564 137.983,170.485 U2.4@137.983,170.714 U2.2@137.983,176.342 ; U2.2@137.983,176.683 U2.2@137.983,176.911 137.983,180.011 C1.2@140.382,182.41 ; C1.2@141.757,182.372 141.91,182.22 144.706,182.22 145.593,183.106 146.103,183.617 149.53,183.617 150.673,183.617 159.436,183.617 165.913,177.14 165.913,168.885 165.913,168.137 169.774,164.276 C13.2@169.774,152.566
  Bottom Layer w0.3: S2.2@9.027,157.9 8.509,158.417 8.509,160.122 9.296,160.909 14.798,160.909 16.342,162.452 19.107,162.452 ; S2.2@9.093,157.48 9.112,157.461 9.112,157.055 12.067,154.1 S2.4@12.067,153.558 12.38,153.558 13.792,152.146 v2@13.818,152.146 ; S3.1@14.211,163.848 14.278,163.848 17.712,163.848 19.107,162.452 ; PROG1.1@26.695,159.106 26.391,159.41 26.391,162.408 26.435,162.452 ; S4.1@27.858,162.452 26.435,162.452 ; S5.1@38.85,137.564 38.917,137.564 47.269,137.564 ; v2@47.142,142.443 47.269,142.316 47.269,137.564 ; S6.1@48.539,137.719 48.384,137.564 47.269,137.564 ; S7.1@59.761,137.564 60.107,137.217 v2@60.572,137.217 ; v2@68.55,137.875 68.75,137.675 70.197,137.675 70.207,137.665 71.306,137.665 S8.1@71.373,137.665 ; v2(72.873,151.968) 91.161,151.968 94.259,155.067 v2(94.259,156.185) 96.088,158.013 107.764,158.013 108.932,159.182 v2(108.991,159.182) ; S14.1@125.09,137.548 125.157,137.548 126.753,137.548 127.025,137.82 127.025,138.557 128.043,139.575 132.662,139.575 134.5,137.737 134.5,137.726 134.577,137.649 135.633,137.649 S13.1@135.7,137.649 ; v2@130.556,151.74 132.893,149.403 139.486,149.403 141.163,151.079 v2(142.596,151.079) 143.291,151.775 S1.4@143.291,153.181 ; v2(133.629,136.093) 133.629,136.931 S13.1@134.442,137.744 ; 139.074,128.856 ccw(c139.375,164.025) 174.5,162.25 ; 139.125,128.85 139.074,128.85 35.516,128.85 35.515,128.85 cw(c35.19,163.284) 0.756,162.96 cw(c24.807,163.197) 23.285,187.2 151.002,187.2 151.005,187.2 cw(c150.508,163.198) 174.485,162.014 ; v2@141.935,161.773 140.132,159.969 140.132,157.444 S1.2@140.101,157.414 140.101,157.18 141.665,155.617 141.665,154.982 143.005,153.641 143.005,153.394 S1.4@142.824,153.213 ; 142.545,154.28 144.094,155.829 145.364,155.829 146.85,157.315 ; S16.1@145.454,163.345 145.454,163.261 145.454,163.23 146.455,162.23 147.142,162.23 147.777,162.865 ; v2(146.761,160.757) 146.761,162.077 146.888,162.204 ; v2@152.984,150.216 152.984,150.673 152.171,151.486 149.149,151.486 147.701,152.933 147.701,156.464 146.85,157.315 ; S15.1@160.807,162.23 160.74,162.23 160.708,162.262 159.625,162.262 157.702,164.186 149.098,164.186 147.777,162.865 ; 19.107,162.452 26.435,162.452 ; 146.85,157.315 147.777,158.242 147.777,162.865
  Bottom Layer w0.4: S7.1@58.611,137.564 58.678,137.564 S7.1@59.761,137.564 ; S9.1@81.111,137.564 81.178,137.564 82.261,137.564 82.314,137.617 82.321,137.617 82.369,137.665 91.465,137.665 ; v2(92.964,140.665) 92.913,140.614 92.164,140.614 91.465,139.915 91.465,137.665 ; S10.1@93.7,137.665 93.633,137.665 91.465,137.665 ; S12.1@103.418,137.327 103.485,137.327 106.491,137.327 106.604,137.439 v2@113.792,137.439 ; v2(113.792,137.414) 113.873,137.414 113.935,137.352 116.022,137.352 S11.1@116.089,137.352
  Bottom Layer w0.7: PROG1.1@26.695,159.106 26.695,158.775 28.55,156.921 28.55,149.53 29.87,148.209 v2(29.947,148.209)
  Bottom Layer w1: v2(109.271,153.289) 112.903,153.289 114.859,151.333 114.859,146.252 113.9,145.294 P1.21@113.95,144.8
  other v1: 30,129 33,129 36,129 39,129 42,129 45,129 48,129 51,129 54,129 57,129 60,129 63,129 66,129 69,129 72,129 75,129 78,129 81,129 84,129 87,129 90,129 93,129 96,129 99,129 102,129 105,129 108,129 111,129 114,129 117,129 120,129 123,129 126,129 129,129 132,129 135,129 138,129 141,129 144,129 21,132 24,132 147,132 150,132 153,132 15,135 24,135 144,135 147,135 150,135 153,135 156,135 159,135 12,138 21,138 66,138 84,138 87,138 99,138 150,138 153,138 156,138 159,138 162,138 9,141 138,141 141,141 144,141 147,141 150,141 153,141 156,141 159,141 162,141 165,141 9,144 30,144 162,144 165,144 168,144 6,147 24,147 36,147 69,147 165,147 168,147 3,150 21,150 27,150 87,150 90,150 105,150 108,150 168,150 171,150 3,153 27,153 96,153 153,153 96,156 123,156 135,156 141,156 168,156 171,156 171,159 3,162 15,162 18,162 24,162 129,162 141,162 153,162 138,165 141,165 171,165 3,168 27,168 144,168 147,168 171,168 3,171 15,171 39,171 123,171 126,171 135,171 150,171 171,171 3,174 6,174 9,174 15,174 21,174 30,174 54,174 120,174 123,174 126,174 135,174 138,174 162,174 171,174 6,177 15,177 21,177 24,177 27,177 33,177 117,177 153,177 168,177 9,180 15,180 18,180 21,180 24,180 33,180 138,180 141,180 144,180 150,180 156,180 165,180 12,183 129,183 132,183 144,183 147,183 156,183 159,183 162,183 18,186 21,186 24,186 27,186 33,186 36,186 39,186 42,186 45,186 48,186 51,186 54,186 57,186 60,186 63,186 66,186 69,186 72,186 75,186 78,186 81,186 84,186 87,186 90,186 93,186 96,186 99,186 102,186 105,186 108,186 111,186 114,186 117,186 120,186 123,186 126,186 129,186 132,186 135,186 138,186 141,186 144,186 147,186 156,186
  other v2: 47.219,142.443 130.48,151.867 88.392,151.994 81.915,152.044 13.843,152.095 108.356,158.623 11.811,160.934 141.986,161.823
IGN: C14.2 D1.1 P1.1 | length 22.6
  Top Layer w0.3: 123.215,142.189 123.368,142.037 C14.2@123.368,139.883
  Top Layer w1: P1.1@112.8,148 112.839,148 114.014,149.174 120.701,149.174 122.987,146.888 122.987,142.418 123.215,142.189 ; 123.368,142.037 124.507,140.897 125.659,140.897 126.365,140.191 D1.1@126.365,140.157
"IGN_VOLT (Ext.05)": C75.2 DZ2.3 R58.2 R71.1 | length 75.3
  Top Layer w0.28: DZ2.3@3.962,162.662 4.025,162.724 C75.2@6.401,162.724 R71.1@8.001,162.724 8.041,162.724 9.231,163.915 9.231,163.993 R58.2@9.423,164.186 ; v2(8.661,166.7) 9.601,165.76 R58.2@9.601,164.292 ; v2(50.597,156.286) 51.156,156.286 52.277,157.408 54.826,157.408
  Bottom Layer w0.28: v2(8.661,166.7) 8.661,169.799 10.643,171.78 31.191,171.78 34.315,168.656 34.315,156.61 37.475,153.45 47.761,153.45 v2(50.597,156.286)
"Illumination (Ext.04)": C30.2 DZ1.3 R15.2 R17.1 | length 67.9
  Top Layer w0.3: DZ1.3@5.047,170.325 5.047,170.468 DZ1.3@5.076,170.498 ; DZ1.3@5.156,170.053 5.715,170.612 7.539,170.612 R17.1@7.747,170.82 ; R17.1@7.747,170.781 C30.2@9.347,170.781 9.387,170.781 10.562,171.956 10.562,172.157 R15.2@10.82,172.415 ; R15.2@10.922,172.4 11.191,172.669 13.614,172.669 v2(13.691,172.593) ; v2(50.495,157.429) 50.521,157.404 51.308,157.404 51.812,157.908 54.826,157.908
  Bottom Layer w0.3: v2(13.691,172.593) 13.767,172.67 14.016,172.67 14.066,172.72 32.08,172.72 35.255,169.545 35.255,156.77 37.949,154.076 47.244,154.076 50.495,157.328 v2(50.495,157.429)
ILLUMINTION: D6.1 P1.9 | length 64.2
  Top Layer w0.7: v2@115.087,133.858 v2(115.087,134.569) 117.577,134.569 D6.1@117.602,134.595
  Bottom Layer w0.7: P1.9@95.2,148 95.2,150.039 102.211,157.05 116.875,157.05 119.976,153.949 122.86,153.949 124.05,152.759 124.05,143.024 120.472,139.446 120.472,135.763 118.567,133.858 v2@115.113,133.858 ; v2@115.087,133.756 v2(115.087,133.807) v2(115.087,134.569)
ILLUMINTION+: C29.2 D6.2 LED1.1 LED2.1 LED3.1 LED4.1 LED5.1 LED6.1 LED7.1 LED12.1 LED13.1 R15.1 TVS3.2 | length 337
  Top Layer w0.4: TVS3.2@131.572,134.163 131.572,134.099 132.579,133.093 TVS3.2@132.642,133.093
  Top Layer w0.5: R15.1@10.922,170.82 10.922,169.777 10.998,169.701 v2@10.998,169.697 ; 126.136,134.493 126.136,135.534 C29.2@126.289,135.687 ; 129.642,134.277 129.642,135.661 v2(129.667,135.687) ; TVS3.2@132.642,133.093 134.188,131.547 145.11,131.547 v2(147.472,133.909) v2@148.209,133.909
  Top Layer w0.6: v2@108.251,139.265 107.9,138.914 107.9,130.806 108.251,130.454 118.745,130.454 D6.2@121.641,133.35
  Top Layer w1: D6.2@121.691,134.391 121.806,134.277 129.642,134.277 130.866,134.277 130.912,134.323 TVS3.2@130.912,134.366
  Bottom Layer w0.3: 10.973,167.259 v2(10.973,169.672)
  Bottom Layer w0.4: LED12.1@151.162,168 151.162,172.981 153.34,175.158 155.301,175.158 ; LED1.1@151.282,162.154 151.782,162.654 151.782,163.162 152.171,163.551 156.235,163.551 160.782,159.004 163.906,159.004 165.633,160.731 165.633,166.624 157.099,175.158 155.804,175.158 ; LED13.1@154.889,168.25 155.067,168.427 155.067,174.924 155.301,175.158 ; 155.778,175.158 155.301,175.158
  Bottom Layer w0.5: LED2.1@20.198,165.786 18.776,167.208 10.973,167.208 6.883,163.119 6.883,155.143 15.602,146.425 21.698,146.425 26.111,142.011 33.071,142.011 34.442,140.64 45.8,140.64 ; LED7.1@45.8,139.4 45.8,140.64 ; LED6.1@63.09,139.298 LED6.1@63.268,139.121 ; LED6.1@63.246,139.548 66.751,143.053 66.751,143.358 ; 68.733,141.58 90.957,141.58 91.203,141.58 102.591,141.58 104.191,139.979 107.01,139.979 LED4.1@107.391,139.598 ; 68.809,141.503 66.853,143.46 66.192,144.12 66.192,147.358 64.325,149.225 53.696,149.225 52.426,147.955 52.426,146.201 50.395,144.17 47.168,144.17 45.8,142.803 45.8,140.64 ; LED5.1@89.1,139.4 91.119,141.418 ; v2(129.667,135.687) 129.705,135.725 129.761,135.725 131.436,137.4 131.502,137.4 LED3.1@132.002,137.9 ; v2@148.387,133.96 150.46,133.96 164.719,148.219 164.719,154.33 168.707,158.318 168.707,173.533 162.001,180.238 158.471,180.238 155.854,177.622 155.854,175.158
  Bottom Layer w0.6: LED4.1@107.391,139.598 107.493,139.497 v2@108.56,139.497
  other v2: 148.387,133.909 108.509,139.471
"INCAR SENSOR": C73.2 P1.10 R53.2 R63.2 | length 8.9
  Top Layer w0.3: R63.2@89.814,153.391 R53.2@91.389,153.391 C73.2@92.94,153.391 C73.2@93.294,153.391 ; R53.2@91.293,153.32 R53.2@91.313,153.34 ; P1.10@93,148 93.096,148.096 C73.2@93.096,153.396
"INCAR SENSOR(Ch.00)": C74.2 R63.1 | length 43.9
  Top Layer w0.3: v1(55.397,165.71) 56.573,165.71 57.626,164.657 57.626,163.779 ; C74.2@88.265,154.996 89.749,154.996 R63.1@89.774,154.971 ; v1@89.052,155.947 89.454,155.545 89.454,155.291 R63.1@89.774,154.971 ; R63.1@89.814,154.971 R63.1@89.774,154.971
  Bottom Layer w0.3: v1@55.347,165.714 62.285,158.775 86.262,158.775 v1@88.889,156.148
  other v1: 89.052,156.082
"INTAKE LED": R57.1 | length 30
  Top Layer w0.3: R57.1@47.93,132.492 v2(47.93,133.591) ; v2(58.826,147.32) 59.626,148.119 59.626,152.108
  Bottom Layer w0.3: v2(47.93,133.591) 47.968,133.553 50.978,133.553 53.213,135.788 ; 53.289,135.839 53.289,137.614 53.289,137.616 53.289,146.66 55.016,148.387 57.76,148.387 v2(58.826,147.32)
"INTAKE MA +": C41.2 P1.5 U4.10 | length 40
  Top Layer w0.45: C41.2@97.841,153.594 97.908,153.526 97.908,152.409 98.425,151.892 101.244,151.892 103.068,150.069 103.844,149.292 103.844,148.156 P1.5@104,148 ; U4.10@111.793,161.66 115.505,161.66 116.129,161.036 116.129,155.194 v2(116.103,155.169)
  Bottom Layer w0.45: P1.5@104,148 104,148.189 103.15,149.039 103.15,153.575 104.769,155.194 v2@116.239,155.194
"INTAKE MA -": C42.2 P1.6 U4.3 | length 32.4
  Top Layer w0.45: C42.2@94.742,153.111 94.742,152.019 96.19,150.571 100.711,150.571 101.8,149.482 P1.6@101.8,148 ; U4.3@111.869,157.11 112.968,157.11 v1(113.995,156.083)
  Bottom Layer w0.45: P1.6@101.8,148 101.8,154.15 103.733,156.083 v1(113.995,156.083)